# Altium PCB Board.PcbDoc (part 1 of 7) (continued)
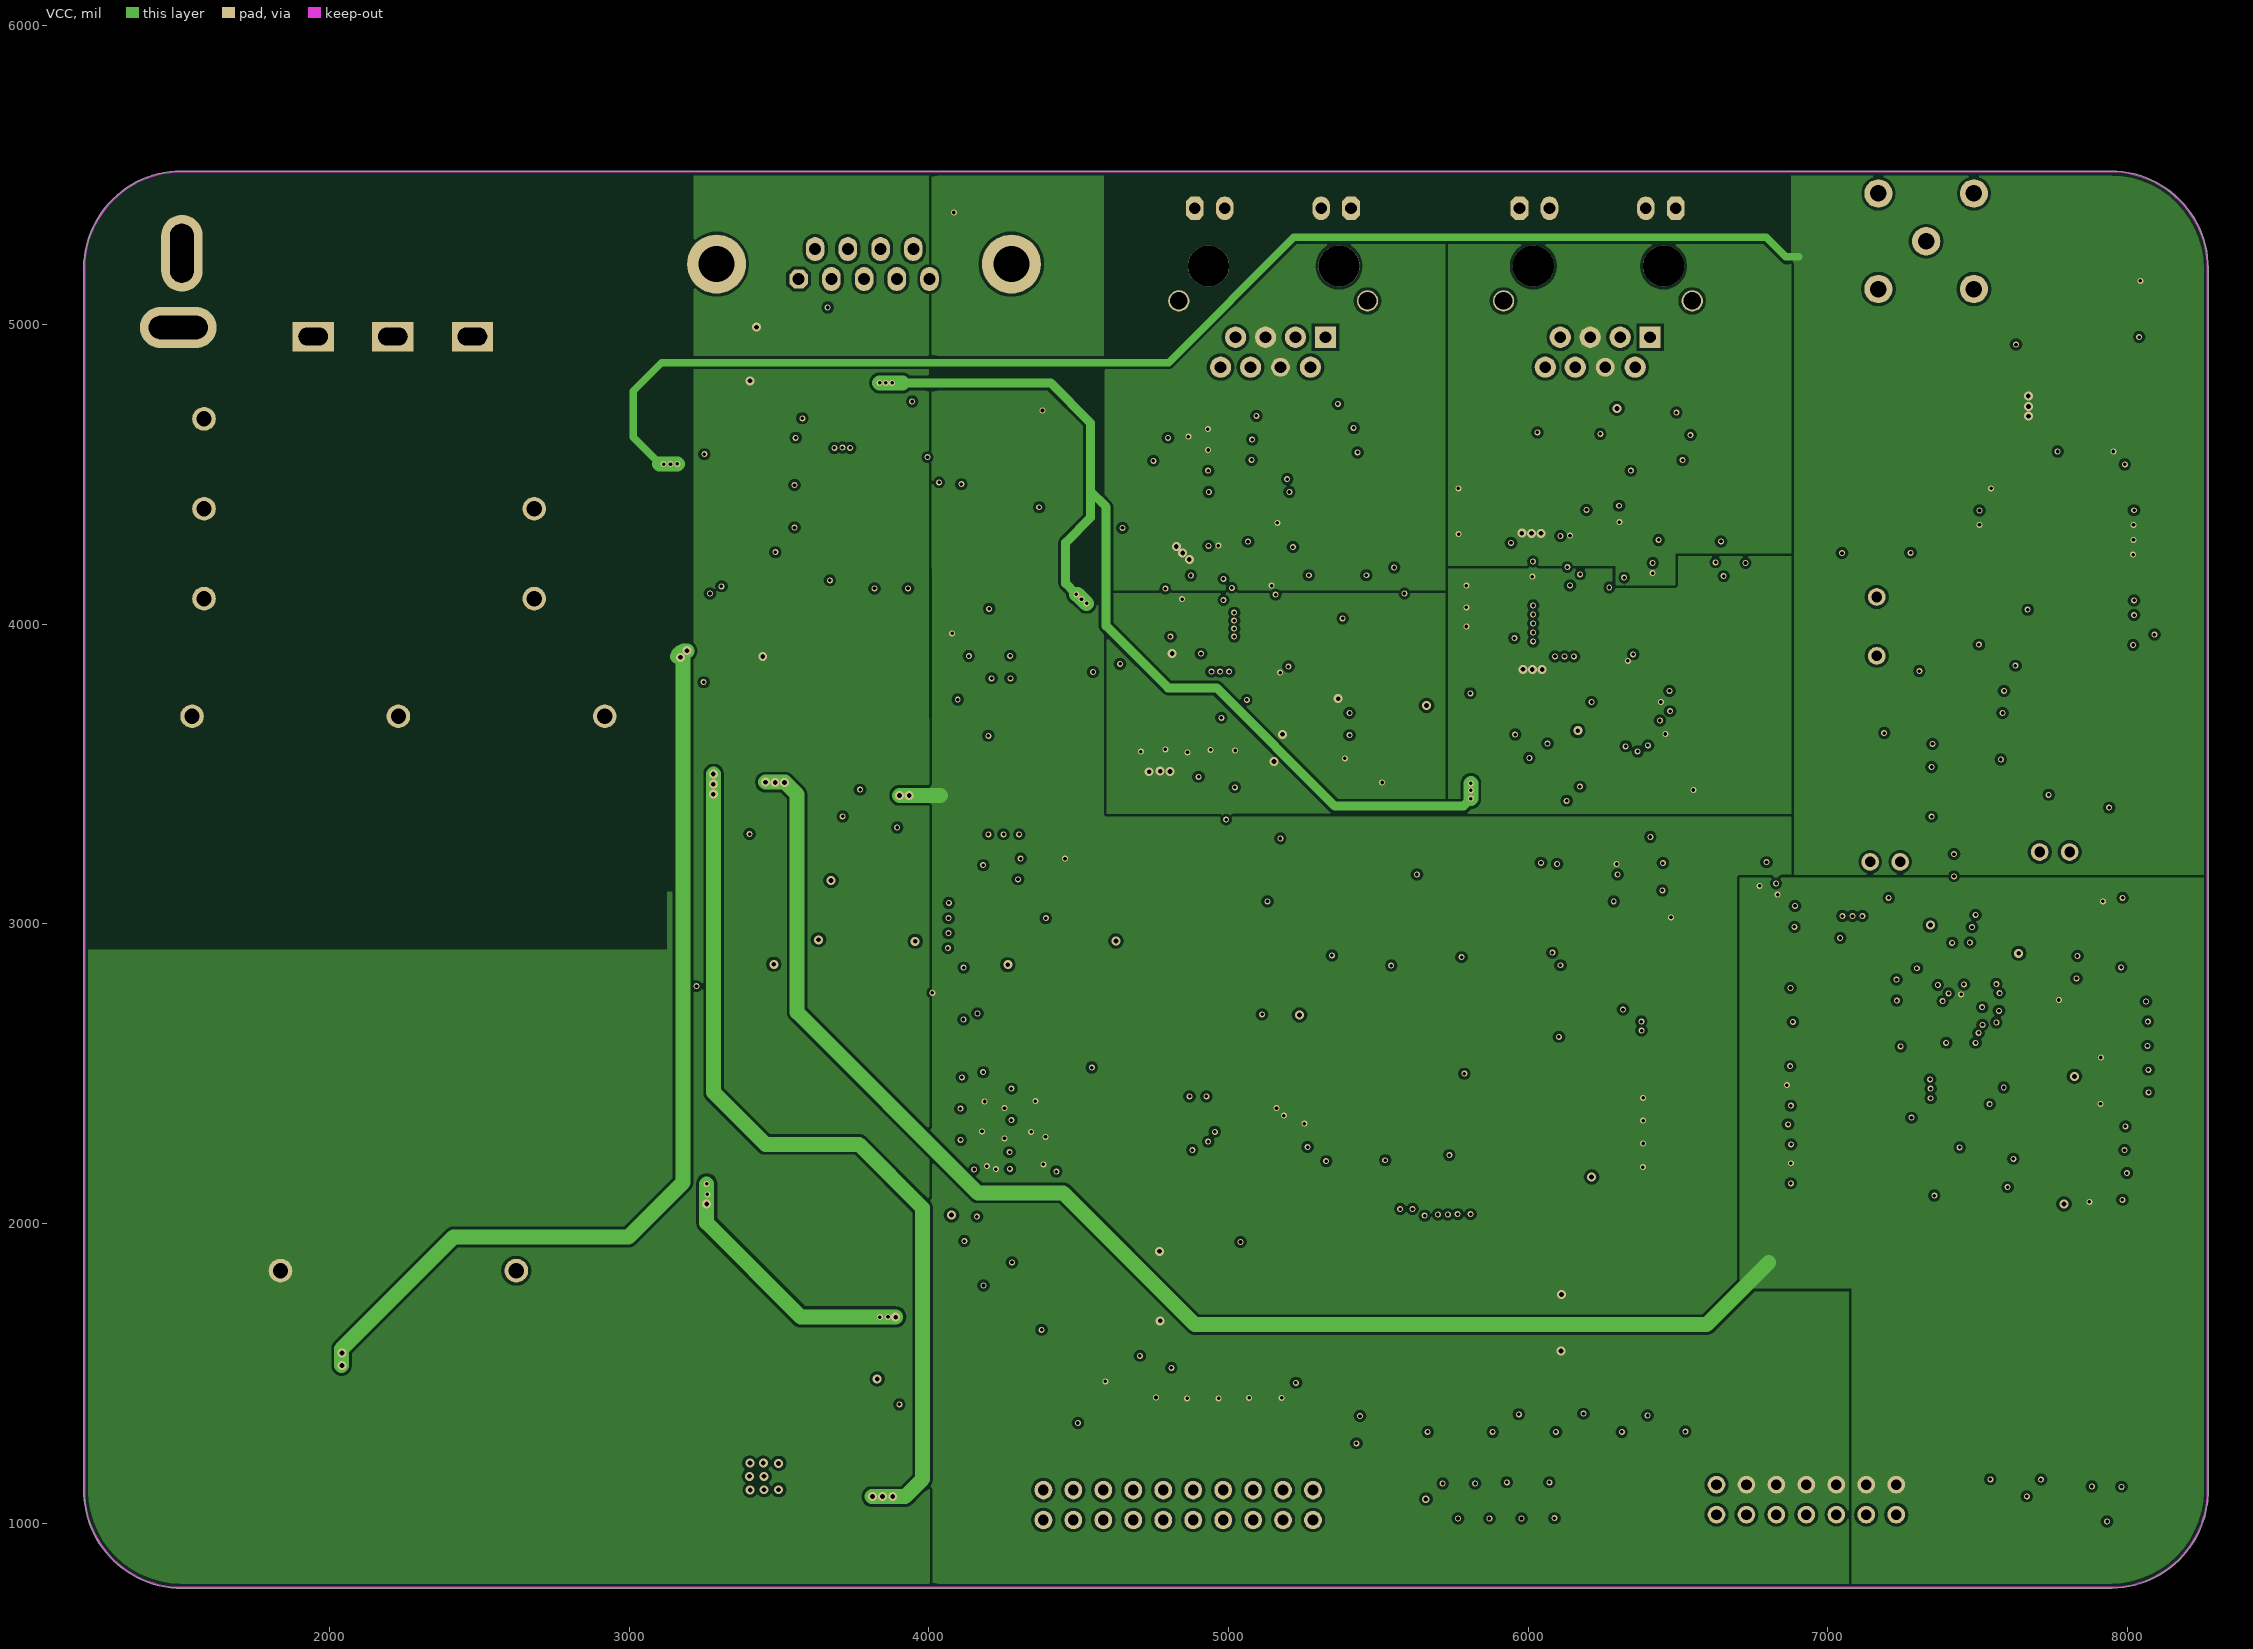
[diagram p3: VCC]

## Layer stack, top to bottom
Top Layer: signal copper 1.4
Dielectric: core 12.6, FR-4, Dk 4.8
GND: signal copper 1.4
Dielectric: prepreg 12.6, FR-4, Dk 4.8
VCC: signal copper 1.4
Dielectric: core 12.6, FR-4, Dk 4.8
Bottom Layer: signal copper 1.4

## Board outline
1178.81,1095.97 ccw(c1503.94,1108) 1487.39,783.07 ccw(c1489,785) 1489,782.49 7949,782.49 ccw(c7949,785) 7950,782.69 ccw(c7944.88,1108) 8270.05,1097.06 ccw(c8267.72,1098) 8270.23,1098 8270.23,5187.4 ccw(c8267.83,5188.17) 8270.35,5188.17 ccw(c7945,5188.17) 7945,5513.52 ccw(c7945,5511) 7944.1,5513.35 1503.94,5513.35 ccw(c1503.94,5188) 1179.63,5214.04 ccw(c1181.1,5212) 1178.59,5212 1178.59,1097 ccw(c1181.1,1097)

## Design rules (kind name [scope] priority, off if disabled: settings)
Clearance Clearance_220 [InNetClass('220V')] p1: gap=40
Clearance [All] p2: gap=8
HoleSize [All] p1: absolutevalues=TRUE maxlimit=500 minlimit=1 maxpercent=80.000 minpercent=20.000
HoleToHoleClearance [All] p1: gap=9 allowstackedmicrovias=TRUE
MinimumSolderMaskSliver [All] p1: minsoldermaskwidth=0
PlaneConnect [All] p1: planeconnectstyle=Direct reliefexpansion=20 reliefentries=4 reliefconductorwidth=10 reliefairgap=10
PolygonConnect [All] p1: connectstyle=Direct reliefconductorwidth=10 reliefentries=4 polygonreliefangle="90 Angle" airgapwidth=10
RoutingVias [All] p1: holewidth=28 width=50 viastyle="Through Hole" minholewidth=28 minwidth=50 maxholewidth=28 maxwidth=50
SilkToSilkClearance [All] p1: silktosilkclearance=0
SilkToSolderMaskClearance [IsPad] p1: minsilkscreentomaskgap=0 clearancetoexposedcopper=TRUE
SolderMaskExpansion "Via MaskExpansion" [IsVia] p1: expansion=2
SolderMaskExpansion [All] p2: expansion=4
Width [All] p1: maxlimit=100 minlimit=1 preferedwidth=10
22 further rules are at their usual default settings.

## Classes and differential pairs
net class 220V: NetJ1_1 NetK2_2 NetU8_2 NetU8_3
component class U_RJ45: C101 C102 C103 C104 C105 C106 C107 C108 C109 C110 C111 C112 C113 L11 L12 L13 L14 R91 R92 R93 R94 R95 R96 R97 R98 R99 R100 R101 R102 R103 R104 R105 R106 R107 R108 R109 R110 U18 U19 X4
component class U_RJ45-2: C88 C89 C90 C91 C92 C93 C94 C95 C96 C97 C98 C99 C100 L7 L8 L9 L10 R71 R72 R73 R74 R75 R76 R77 R78 R79 R80 R81 R82 R83 R84 R85 R86 R87 R88 R89 R90 U16 U17 X3
component class U_Power: C65 C66 C67 C68 C69 C70 C71 C72 C73 C74 C75 C76 C77 C78 C79 C80 C81 C82 C83 C84 C85 C86 C87 C114 C115 C116 C117 C118 D5 D6 D7 J1 K2 L5 L6 Power Q9 Q10 R60 R61 R62 R63 R64 R65 R66 R67 R68 R69 R70 U8 U9 U10 U11 U12 U13 U14 U15
component class U_Module: 1 2 3 4 C58 C59 C60 C61 C62 C63 C64 J5 Q5 Q6 Q7 Q8 R40 R41 R42 R43 R44 R45 R46 R47 R48 R49 R50 R51 R52 R53 R54 R55 R56 R57 R58 R59 U5 U6 U7
component class U_MCU: C40 C41 C42 C43 C44 C45 C46 C47 C48 C49 C50 C51 C52 C53 C54 C55 C56 C57 C119 K1 L4 R32 R33 R34 R35 R36 R37 R38 R39 U3 U4 X2
component class U_GC2200: B1 C1 C2 C3 C4 C5 C6 C7 C8 C9 C10 C11 C12 C13 C14 C15 C16 C17 C18 C19 C20 C21 C22 C23 C24 C25 C26 C27 C28 C29 C30 C31 C32 C33 C34 C35 C36 C37 C38 C39 D1 D2 D3 D4 L1 L2 L3 Q1 Q2 Q3 Q4 R1 R2 R3 R4 R5 R6 R7 R8 R9 R10 R11 R12 R13 R14 R15 R16 R17 R18 R19 R20 R21 R22 R23 R24 R25 R26 R27 R28 R29 R30 R31 Rx T1 T2 Tx U1 U2 X1

## Components (designator, comment, footprint, x,y, rotation, side; value= is the part's Value field where it differs from the comment)
1 "LED" 外插小灯 6729,1128 r270 top (schematic designator LED6)
2 "LED" 外插小灯 6829,1128 r270 top (schematic designator LED5)
3 "LED" 外插小灯 6929,1128 r270 top (schematic designator LED4)
4 "LED" 外插小灯 7029,1128 r270 top (schematic designator LED3)
B1 "BNC" BNC 7330,5278 r0 top
C1 "Capacitor-0603" 0603 7891.85,3819.56 r180 top
C2 "Capacitor-0603" 0603 7942,3035 r180 top
C3 "Capacitor-0805" 0603 7441,2145 r90 top
C4 "Capacitor-0603" 0603 7826,3507.67 r0 top
C5 "Capacitor-0603" 0603 7695,3352 r180 top
C6 "Capacitor-0805" 0603 7345,2310 r180 top
C7 "Capacitor-0603" 0603 7826,3585.5 r0 top
C8 "Capacitor-0603" 0603 7696.07,3431 r180 top
C9 "Capacitor-0603" 0603 7705,5190 r270 top
C10 "Capacitor-0603" 0603 7695,3663.71 r180 top
C11 "Capacitor-0603" 0603 7941,2894 r180 top
C12 "Capacitor-0603" 0603 7738,4494.44 r0 top
C13 "Capacitor-0603" 0603 7629.15,3819 r0 top
C14 "Capacitor-0603" 0805 7055,3470 r0 top
C15 "Capacitor-0603" 0603 7147,4936 r180 top
C16 "Capacitor-0603" 0603 7114,4195 r180 top
C17 "Capacitor-0805" 0603 7003,2264.4 r90 top
C18 "Capacitor-0805" 0603 7941,2281.29 r180 top
C19 "Capacitor-0805" 0603 6921,2265.2 r90 top
C20 "Capacitor-0805" 0603 7941,2359.43 r180 top
C21 "Capacitor-0805" 0603 7941,2744 r180 top
C22 "Capacitor-0805" 0603 6921,2786 r90 top
C23 "Capacitor-0805" 0603 7003,2786 r90 top
C24 "Capacitor-0805" 0603 6921,2655.8 r90 top
C25 "Capacitor-0805" 0603 7003,2655.6 r90 top
C26 "Capacitor-0805" 0603 7941,2672 r180 top
C27 "Capacitor-0805" 0603 7941,2593.86 r180 top
C28 "Capacitor-0805" 0603 7941,2515.71 r180 top
C29 "Capacitor-0805" 0603 7941,2437.57 r180 top
C30 "Capacitor-0805" 0603 7941,2203.14 r180 top
C31 "Capacitor-0805" 0603 7941,2125 r180 top
C32 "Capacitor-0603" 0603 7067,3313 r0 top
C33 "Capacitor-0603" 0603 7239,3392 r0 top
C34 "Capacitor-0805" 0603 6921,2395.4 r90 top
C35 "Capacitor-0805" 0603 7003,2394.8 r90 top
C36 "Capacitor-0805" 0603 7003,2134 r90 top
C37 "Capacitor-0805" 0603 6921,2135 r90 top
C38 "Capacitor-0805" 0603 6921,2525.6 r90 top
C39 "Capacitor-0805" 0603 7003,2525.2 r90 top
C40 "Capacitor-0805" 0603 4150,2452 r0 top
C41 "Capacitor-0805" 0603 4316,2452 r0 top
C42 "Capacitor-0805" 0603 4316,2346.33 r0 top
C43 "Capacitor-0805" 0603 4150,2346.33 r0 top
C44 "Capacitor-0805" 0603 4316,2240.67 r0 top
C45 "Capacitor-0805" 0603 4150,2240.67 r0 top
C46 "Capacitor-0805" 0603 6417,2379 r180 top
C47 "Capacitor-0805" 0603 4150,2135 r0 top
C48 "Capacitor-0805" 0603 6416,2307 r180 top
C49 "Capacitor-0805" 0603 6416,2228 r180 top
C50 "Capacitor-0805" 0603 6416,2149 r180 top
C51 "Capacitor-0603" 0603 4315,2139 r0 top
C52 "Capacitor-0805" 0603 6408,2904 r180 top
C53 "Capacitor-0805" 0603 4546,1335 r270 top
C54 "Capacitor-0805" 0603 5283,1269.15 r90 top
C55 "Capacitor-0603" 0603 6408,3076.05 r180 top
C56 "Capacitor-0805" 0603 6378,2605 r270 top
C57 "Capacitor-0805" 0603 6377,2713 r90 top
C58 "Capacitor-0603" 0603 4134,4007.44 r0 top
C59 "Capacitor-0603" 0603 4114,2808 r180 top
C60 "Capacitor-0603" 0603 4338,3253 r0 top
C61 "Capacitor-0603" 0603 4273,3710 r0 top
C62 "Capacitor-0603" 0603 4338,3778 r180 top
C63 "Capacitor-0603" 0603 4143,3710 r0 top
C64 "Capacitor-0603" 0603 4143,3777.44 r0 top
C65 "Capacitor-0805" 0805 3517,4569 r180 top
C66 "Capacitor-0805" 0805 1924,1406 r270 top
C67 "电解电容" 贴片铝电容-8*10.3 1641,1071 r90 top
C68 "电解电容" 贴片铝电容-10*10 2771,1041 r90 top
C69 "Capacitor-0805" 0805 3057,1298 r90 top
C70 "Capacitor-0805" 0805 3877,4120 r270 top
C71 "电解电容" 贴片铝电容-8*10.3 3768,3531 r90 top
C72 "电解电容" 贴片铝电容-10*10 2283,1041 r90 top
C73 "Capacitor-0805" 0805 3057,1174 r270 top
C74 "Capacitor-0805" 0805 3863,2653 r270 top
C75 "电解电容" 贴片铝电容-8*10.3 3854,2107 r90 top
C76 "Capacitor-0805" 0805 3704.75,2570 r90 top
C77 "电解电容" 钽电容1206（A3216） 3545.59,2544 r90 top
C78 "电解电容" 钽电容1206（A3216） 3653.43,3230 r90 top
C79 "Capacitor-0805" 0805 3841,3243 r90 top
C80 "Capacitor-0805" 0805 3762,4038 r90 top
C81 "电解电容" 钽电容1206（A3216） 3615,4019 r90 top
C82 "电解电容" 钽电容1206（A3216） 3764,4689 r180 top
C83 "Capacitor-0805" 0805 3860,4690 r0 top
C84 "Capacitor-0805" 0805 3230,2559 r90 top
C85 "电解电容" 钽电容1206（A3216） 3387.34,2544 r90 top
C86 "电解电容" 钽电容1206（A3216） 3464,3231 r90 top
C87 "Capacitor-0805" 0805 3281,3246 r90 top
C88 "Capacitor-0603" 0603 5844,4229 r0 top
C89 "电解电容" 钽电容1206（A3216） 6486,4439 r180 top
C90 "Capacitor-0603" 0603 6388,4516 r0 top
C91 "Capacitor-0603" 0603 6175.15,4590 r0 top
C92 "Capacitor-0603" 0603 5965.15,4591 r0 top
C93 "电解电容" 钽电容1206（A3216） 5813,3554 r0 top
C94 "电解电容" 钽电容1206（A3216） 6356,4593 r0 top
C95 "Capacitor-0603" 0603 5911,3633 r180 top
C96 "Capacitor-0603" 0603 6456,4669 r180 top
C97 "Capacitor-0603" 0603 5911,3799 r180 top
C98 "Capacitor-0603" 0603 6582,3712 r180 top
C99 "Capacitor-0603" 0603 6583,3779 r180 top
C100 "Capacitor-0603" 0603 5845.15,3954 r0 top
C101 "Capacitor-0603" 0603 4976,4583.26 r0 top
C102 "电解电容" 钽电容1206（A3216） 5357,4537 r180 top
C103 "Capacitor-0603" 0603 5252,4454 r0 top
C104 "Capacitor-0603" 0603 5041.85,4514.74 r180 top
C105 "Capacitor-0603" 0603 4864,4511.23 r180 top
C106 "电解电容" 钽电容1206（A3216） 4649,4039 r0 top
C107 "电解电容" 钽电容1206（A3216） 5232,4619 r0 top
C108 "Capacitor-0603" 0603 4746,4119 r180 top
C109 "Capacitor-0603" 0603 5328,4696 r180 top
C110 "Capacitor-0603" 0603 4746,3868 r180 top
C111 "Capacitor-0603" 0603 5511,3631 r180 top
C112 "Capacitor-0603" 0603 5510,3705 r180 top
C113 "Capacitor-0603" 0603 4746,4272 r180 top
C114 "电解电容" 3528 3395,4021 r90 top
C115 "Capacitor-0805" 0805 3212,4104 r270 top
C116 "Capacitor-0805" 0603 3443,4653 r0 top
C117 "电解电容" 3528 7570,4763 r270 top
C118 "Capacitor-0805" 0805 7570,4935 r270 top
C119 "Capacitor-0805" 0603 6408,3243 r180 top
D1 "SSA34" IN5824 7954,4800 r270 top
D2 "SSA34" IN5824 7817,5148 r0 top
D3 "SSA34" IN5824 7768,4620 r90 top
D4 "SSA34" IN5824 7998,4959 r180 top
D5 "SMBJ20A" SMBJ20A 1925,1069 r90 top
D6 "IN5824" IN5824 3246,3768 r270 top
D7 "IN5824" IN5824 3258,2343 r270 top
J1 "三脚插头" 三芯蛙座 2475.75,4961 r180 top
J5 "DB9" DB9 3565,5152.91 r0 top
K1 "按键" 贴片按键 4375,1541 r270 top
K2 "开关" T型接头 1505.75,5239 r270 top
L1 "Inductor" 1206 7707,4990 r90 top
L2 "Inductor" "Inductor  12*12" 7158,4331 r90 top
L3 "Inductor" 工字电感0608 7164,3934 r90 top
L4 "Inductor" 0805 6420,2986 r180 top
L5 "Inductor" "SLF6025   电感" 3460,3554 r180 top
L6 "Inductor" "SLF6025   电感" 3509,2134 r180 top
L7 "Inductor" 0805 6376,4354 r0 top
L8 "Inductor" 0805 5830,3716 r0 top
L9 "Inductor" 0805 6505,3635 r0 top
L10 "Inductor" 0805 5831,3875 r0 top
L11 "Inductor" 0805 5241,4367 r0 top
L12 "Inductor" 0805 4672,3950 r0 top
L13 "Inductor" 0805 5440,3552 r0 top
L14 "Inductor" 0805 4671,4197 r0 top
Power "LED" 外插小灯 6629,1128 r270 top (schematic designator LED7)
Q1 "BC847" BC847B 7787,1090 r270 top
Q2 "BC847" BC847B 7618,1089 r270 top
Q3 "BC847" BC847B 7307,3719 r180 top
Q4 "BC847" BC847B 7132,3563 r180 top
Q5 "BC847" BC847B 5828,1304 r270 top
Q6 "BC847" BC847B 6043.67,1304 r270 top
Q7 "BC847" BC847B 6259.33,1304 r270 top
Q8 "BC847" BC847B 6475,1304 r270 top
Q9 "BC847" BC847B 4323,1947 r0 top
Q10 "BC587B" BC847B 4339,2559 r180 top
R1 "Resistor-0603" 0603 7826,3663.33 r0 top
R2 "Resistor-0805" 0603 6997.85,3097.37 r180 top
R3 "Resistor-0805" 0603 6997.85,3025.19 r180 top
R4 "Resistor-0805" 0603 6997.85,2953 r180 top
R5 "Resistor-0603" 0603 7629.15,3507.29 r0 top
R6 "Resistor-0805" 0603 7511,2211 r270 top
R7 "Resistor-0603" 0603 7826,3352 r0 top
R8 "Resistor-0603" 0603 7826,3429.83 r0 top
R9 "Resistor-0805" 0603 7427,2309 r0 top
R10 "Resistor-0603" 0603 7695,3585.78 r180 top
R11 "Resistor-0603" 0603 7891.85,3741.73 r180 top
R12 "Resistor-0603" 0603 7941,2967 r180 top
R13 "Resistor-0603" 0603 7665,4495 r180 top
R14 "Resistor-0603" 0603 7876,2818 r0 top
R15 "Resistor-0603" 0603 7953,4495 r180 top
R16 "Resistor-0805" 0603 7451,1073 r270 top
R17 "Resistor-0805" 0603 7363,1073 r270 top
R18 "Resistor-0603" 0603 7629.15,3741.07 r0 top
R19 "Resistor-0603" 0603 7464,3232 r0 top
R20 "Resistor-0805" 0603 7981,1008 r90 top
R21 "Resistor-0805" 0603 7882,1073 r270 top
R22 "Resistor-0603" 0603 7247,4936 r0 top
R23 "Resistor-0603" 0603 7130,3792 r180 top
R24 "Resistor-0603" 0603 7239,3471 r0 top
R25 "Resistor-0603" 0603 7131,3716 r180 top
R26 "Resistor-0603" 0603 7276,4197 r180 top
R27 "Resistor-0603" 0603 7239,3637 r0 top
R28 "Resistor-0603" 0603 7239,3563 r0 top
R29 "Resistor-0603" 0603 7239,3313 r0 top
R30 "Resistor-0603" 0603 7066,3388 r0 top
R31 "Resistor-0805" 0603 6932,3169 r0 top
R32 "Resistor-0805" 0603 5381,1268 r90 top
R33 "Resistor-0805" 0603 6408,3166 r180 top
R34 "Resistor-0805" 0603 4651.76,1269.15 r90 top
R35 "Resistor-0805" 0603 4862.18,1269.15 r90 top
R36 "Resistor-0805" 0603 5177.79,1269.15 r90 top
R37 "Resistor-0805" 0603 5072.59,1269.15 r90 top
R38 "Resistor-0805" 0603 4967.38,1269.15 r90 top
R39 "Resistor-0805" 0603 4756.97,1269.15 r90 top
R40 "Resistor-0603" 0603 4218,4437 r180 top
R41 "Resistor-0603" 0603 4134,3938 r0 top
R42 "Resistor-0603" 0603 4246.5,2808 r180 top
R43 "Resistor-0603" 0603 4152,4505 r0 top
R44 "Resistor-0603" 0603 4219,4570 r0 top
R45 "Resistor-0603" 0603 4379,2808 r180 top
R46 "Resistor-0603" 0603 4271,3938 r0 top
R47 "Resistor-0603" 0603 4351,4506 r180 top
R48 "Resistor-0603" 0603 4349,4437 r180 top
R49 "Resistor-0603" 0603 4337,4008 r180 top
R50 "Resistor-0603" 0603 6143.62,1082 r270 top
R51 "Resistor-0603" 0603 6250.75,1082 r270 top
R52 "Resistor-0603" 0603 6357.87,1082 r270 top
R53 "Resistor-0603" 0603 6465,1082 r270 top
R54 "Resistor-0603" 0603 5715.68,1016.15 r90 top
R55 "Resistor-0603" 0603 5822.81,1016.15 r90 top
R56 "Resistor-0603" 0603 5929.93,1016.15 r90 top
R57 "Resistor-0603" 0603 6037.06,1016.15 r90 top
R58 "Resistor-0603" 0603 4275.35,3253.56 r180 top
R59 "Resistor-0603" 0603 4081,3253 r0 top
R60 "Resistor-0603" 0603 3506,4492 r180 top
R61 "Resistor-0603" 0603 3506,4422.33 r180 top
R62 "Resistor-0603" 0603 3440.15,4352.11 r0 top
R63 "Resistor-0603" 0603 3506,4283 r180 top
R64 "Resistor-0603" 0603 3289,4568 r0 top
R65 "Resistor-0603" 0603 4160,1840 r0 top
R66 "Resistor-0603" 0603 5608,1082 r270 top
R67 "Resistor-0603" 0603 4227,1976 r180 top
R68 "Resistor-0603" 0603 4161,1907 r0 top
R69 "Resistor-0603" 0603 4181,2555 r180 top
R70 "Resistor-0603" 0603 4115,2636 r0 top
R71 "Resistor-0603" 0603 6399,3676 r180 top
R72 "Resistor-0603" 0603 6758,4463.8 r180 top
R73 "Resistor-0603" 0603 5833,4410 r180 top
R74 "Resistor-0603" 0603 6758,4394.2 r180 top
R75 "Resistor-0603" 0603 6758,4324.6 r180 top
R76 "Resistor-0603" 0603 6758,4533.4 r180 top
R77 "Resistor-0603" 0603 5832,4346 r180 top
R78 "Resistor-0603" 0603 6758,4603 r180 top
R79 "Resistor-0603" 0603 5844,4163 r0 top
R80 "Resistor-0603" 0603 5844,4093.5 r0 top
R81 "Resistor-0603" 0603 5844,4024 r0 top
R82 "Resistor-0603" 0603 6399,3741 r180 top
R83 "Resistor-0603" 0603 6005,3743 r0 top
R84 "Resistor-0603" 0603 6005,3679 r0 top
R85 "Resistor-0603" 0603 6241,4450 r180 top
R86 "Resistor-0603" 0603 6758,4255 r180 top
R87 "Resistor-0603" 0603 6241,4520.28 r180 top
R88 "Resistor-0603" 0603 6031,4521.28 r180 top
R89 "Resistor-0603" 0603 6031,4451 r180 top
R90 "Resistor-0603" 0603 6583,3848 r180 top
R91 "Resistor-0603" 0603 5325,3641 r180 top
R92 "Resistor-0603" 0603 5587,4369 r180 top
R93 "Resistor-0603" 0603 5041.85,4652.91 r180 top
R94 "Resistor-0603" 0603 5587,4299.5 r180 top
R95 "Resistor-0603" 0603 5587,4230 r180 top
R96 "Resistor-0603" 0603 5587,4438.5 r180 top
R97 "Resistor-0603" 0603 4798.15,4578 r0 top
R98 "Resistor-0603" 0603 5587,4508 r180 top
R99 "Resistor-0603" 0603 4711,3656 r90 top
R100 "Resistor-0603" 0603 4786.75,3656 r90 top
R101 "Resistor-0603" 0603 4862.5,3656 r90 top
R102 "Resistor-0603" 0603 5324,3709 r180 top
R103 "Resistor-0603" 0603 4938.25,3656 r90 top
R104 "Resistor-0603" 0603 5014,3656 r90 top
R105 "Resistor-0603" 0603 5041,4445 r180 top
R106 "Resistor-0603" 0603 5586,4148 r180 top
R107 "Resistor-0603" 0603 5040,4377 r180 top
R108 "Resistor-0603" 0603 4798.15,4443.33 r0 top
R109 "Resistor-0603" 0603 4798.15,4376 r0 top
R110 "Resistor-0603" 0603 5510,3776 r180 top
Rx "LED" 外插小灯 7229,1128 r270 top (schematic designator LED2)
T1 "跳线" "跳线 100mil" 7242,3207 r180 top
T2 "跳线" "跳线 100mil" 7708,3240 r0 top
Tx "LED" 外插小灯 7129,1128 r270 top (schematic designator LED1)
U1 "SM2200" SM2200 7465,2700 r270 top
U2 "OPA564AIDWDR" OPA564AIDWDR 7578,4382 r0 top
U3 "STM32F407ZET6" "Stm32f407ZET6 - duplicate" 5454,2550 r180 top
U4 "JTAG" JTAG-20 5282,1110 r180 top
U5 "AT24C02" AT24C02 4132,3070 r0 top
U6 "MAX3485" MAX3485 4249,4237 r90 top
U7 "MAX3232" MAX3232 4237,3467 r270 top
U8 "LH10-10B15" LH10-10B15 2228.75,3693 r270 top
U9 "FDC6326L" FDC6326L 3294,4403 r270 top
U10 "FC-LX1D" FC-LX1D 1579.75,4386 r0 top
U11 "LM2596" LM2596 3843,1021 r180 top
U12 "LM2596" LM2596 3848,1620 r180 top
U13 "LT1963" LT1963 3840,3044 r270 top
U14 "LT1963" LT1963 3850,4506 r270 top
U15 "LT1963" LT1963 3421,3044 r270 top
U16 "RJ45" RJ45 6548,5080.12 r90 top
U17 "W5200-Chip" W5200-Chip 6358,3978 r90 top
U18 "RJ45" RJ45 5464,5080.12 r90 top
U19 "W5200-Chip" W5200-Chip 5211,3937 r90 top
X1 "3225无源晶振" 3225无源晶振 7270,2145 r0 top
X2 "3225无源晶振" 3225无源晶振 6226,2592 r55 top
X3 "有源晶振" 有源晶振7050 6775,4142 r180 top
X4 "有源晶振" 有源晶振7050 5650,4068 r180 top

## Footprints (in the part's own frame and the unit in brackets; to place one, negate y for a bottom-side part, rotate by r counter-clockwise, add the part's x,y. Pads: shape width x height; smd on the part's side, far side on the other; paste and mask are expansions set on the pad)
0603 [mm] "0603"
  rect 0.8x0.9 smd: 1(0,0) 2(1.676,0)
  silkscreen extent -0.65,-0.69 2.32,0.7, body extent 0.1,-0.4 1.7,0.4, height 0.5
0805 [mm] "Chip Resistor, 2-Leads, Body 2.0x1.2mm, IPC Medium Density"
  rect 0.9x1.3 smd: 1(0,0) 2(2.1,0)
  silkscreen extent -0.7,-0.9 2.8,0.9, body extent 0.05,-0.6 2.05,0.6, height 0.5
1206 [mm]
  rect 1.18x1.76 smd: 1(-1.565,0) 2(1.565,0)
  silkscreen extent -0.6,-0.78 0.6,0.78, body extent -1.7,-0.87 1.7,0.87, height 1
3225无源晶振 [mm]
  rect 1.4x1.2 smd: 1(0,0) 2(2.2,0) 3(2.2,1.7) 4(0,1.7)
  silkscreen extent -0.86,-0.79 3.1,2.46
3528 [mm]
  rect 1.95x2.3 smd: 1(2.75,0) 2(0,0)
  silkscreen extent -1.3,-1.5 3.27,1.77, body extent -0.48,-1.5 3.22,1.5, height 2.1
AT24C02 [mm]
  oval 2.2x0.6 smd: 1(-0.025,0) 2(-0.025,-1.27) 3(-0.025,-2.54) 4(-0.025,-3.81) 5(4.775,-3.81) 6(4.775,-2.54) 7(4.775,-1.27) 8(4.775,0)
  silkscreen extent -0.15,-4.41 3.27,0.97, body extent 0.38,-4.41 4.37,0.6, height 1.75
BC847B [mm] "SOT23, 3-Leads, Body 2.90x2.45mm, Pitch 0.95mm, IPC Medium Density"
  rect 1.2x0.8 smd: 1(0,-1.9) 2(0,0) 3(1.9,-0.95)
  silkscreen extent 0.24,-2.45 1.63,0.55, body extent 0.25,-2.45 1.65,0.55, height 1.1
BNC [mm]
  round 2.4 hole 1.4: 1(-4.075,-4.025) 1(-4.075,4.075) 1(4.025,-4.025) 1(4.025,4.075) 2(-0.025,0.025)
  silkscreen extent -5.74,-5.69 5.69,5.74
DB9 [mil]
  round 196.67 hole 120: 0(-274.17,50) 10(710,50)
  oct 62x62 hole 40: 1(0,0)
  oval 62x80 hole 40: 2(109.17,0) 3(218.33,0) 4(327.5,0) 5(436.67,0) 6(55,100) 7(164.17,100) 8(273.33,100) 9(382.5,100)
  silkscreen extent -398,-75 835,725
FC-LX1D [mm]
  round 2 hole 1.3: 1(0,7.62) 2(0,0) 3(0,-7.62) 4(28,-7.62) 5(28,0)
  silkscreen extent -2.85,-11.1 30.85,11.1
FDC6326L [mm] "SOT23, 6-Leads"
  rect 1.05x0.6 smd: 1(-1.225,0.95) 2(-1.225,0) 3(-1.225,-0.95) 4(1.225,-0.95) 5(1.225,0) 6(1.225,0.95)
  silkscreen extent -1.35,-1.5 0.3,1.93, body extent -0.84,-1.5 0.84,1.5, height 1.1
IN5824 [mm]
  rect 1x2 smd: 1(0,0) 2(4.6,0)
  silkscreen extent 0.3,-1.6 4.3,1.5
"Inductor  12*12" [mm]
  rect 2x5 smd: 1(0,0) 2(12,0)
  silkscreen extent -0.03,-6 12,6
JTAG-20 [mm]
  oval 1.5x1.575 hole 0.9: 1(0,0) 2(0,2.54) 3(2.54,0) 4(2.54,2.54) 5(5.08,0) 6(5.08,2.54) 7(7.62,0) 8(7.62,2.54) 9(10.16,0) 10(10.16,2.54) 11(12.7,0) 12(12.7,2.54) 13(15.24,0) 14(15.24,2.54) 15(17.78,0) 16(17.78,2.54) 17(20.32,0) 18(20.32,2.54) 19(22.86,0) 20(22.86,2.54)
  silkscreen extent -3.57,-2.31 26.43,4.38
LH10-10B15 [mm]
  round 2 hole 1.3: 1(0,17.5) 2(0,0) 3(0,-17.5) 4(47,10) 8(47,-10)
  silkscreen extent -4,-22.5 51,22.5
LM2596 [mm]
  rect 2.9x1.1 smd: 1(-0.076,-0.025) 2(-0.076,-1.725) 3(-0.076,-3.425) 4(-0.076,-5.125) 5(-0.076,-6.825)
  rect 9.4x10.65 smd: 6(10,-3.425)
  silkscreen extent -0.2,-8.66 5.18,1.75, body extent 4.29,-8.6 13.18,1.8, height 4.57
LT1963 [mm]
  rect 2.25x0.6 smd: 1(0,0) 2(0,-1.27) 3(0,-2.54) 4(0,-3.81) 5(4.8,-3.81) 6(4.8,-2.54) 7(4.8,-1.27) 8(4.8,0)
  silkscreen extent -0.12,-4.41 3.27,0.98, body extent 0.41,-4.41 4.4,0.6, height 1.75
MAX3232 [mm]
  oval 1.6x0.35 smd: 1(-2.875,2.275) 2(-2.875,1.625) 3(-2.875,0.975) 4(-2.875,0.325) 5(-2.875,-0.325) 6(-2.875,-0.975) 7(-2.875,-1.625) 8(-2.875,-2.275) 9(2.875,-2.275) 10(2.875,-1.625) 11(2.875,-0.975) 12(2.875,-0.325) 13(2.875,0.325) 14(2.875,0.975) 15(2.875,1.625) 16(2.875,2.275)
  silkscreen extent -3,-2.55 1.68,3.13, body extent -2.25,-2.55 2.25,2.55, height 1.1
MAX3485 [mm]
  oval 2x0.6 smd: 1(-2.525,1.905) 2(-2.525,0.635) 3(-2.525,-0.635) 4(-2.525,-1.905) 5(2.525,-1.905) 6(2.525,-0.635) 7(2.525,0.635) 8(2.525,1.905)
  silkscreen extent -2.65,-2.5 1.13,2.88, body extent -2,-2.5 2,2.5, height 1.75
OPA564AIDWDR [mm] "SOP, 20-Leads, Body 12.82x7.52mm, Pitch 1.27mm, IPC Medium Density"
  oval 2.25x0.6 smd: 1(0,0) 2(0,-1.27) 3(0,-2.54) 4(0,-3.81) 5(0,-5.08) 6(0,-6.35) 7(0,-7.62) 8(0,-8.89) 9(0,-10.16) 10(0,-11.43) 11(9.25,-11.43) 12(9.25,-10.16) 13(9.25,-8.89) 14(9.25,-7.62) 15(9.25,-6.35) 16(9.25,-5.08) 17(9.25,-3.81) 18(9.25,-2.54) 19(9.25,-1.27) 20(9.25,0)
  silkscreen extent -0.12,-12.21 7.73,0.97, body extent 0.82,-12.21 8.42,0.78, height 2.65
RJ45 [mm]
  round 3.5 hole 3.5: 0(2.95,13.48) 0(2.95,2.42)
  rect 1.8x1.8 hole 1: 1(-3.09,3.57)